# Allegro board HY_CEPRI_TEST_V10_220517.brd
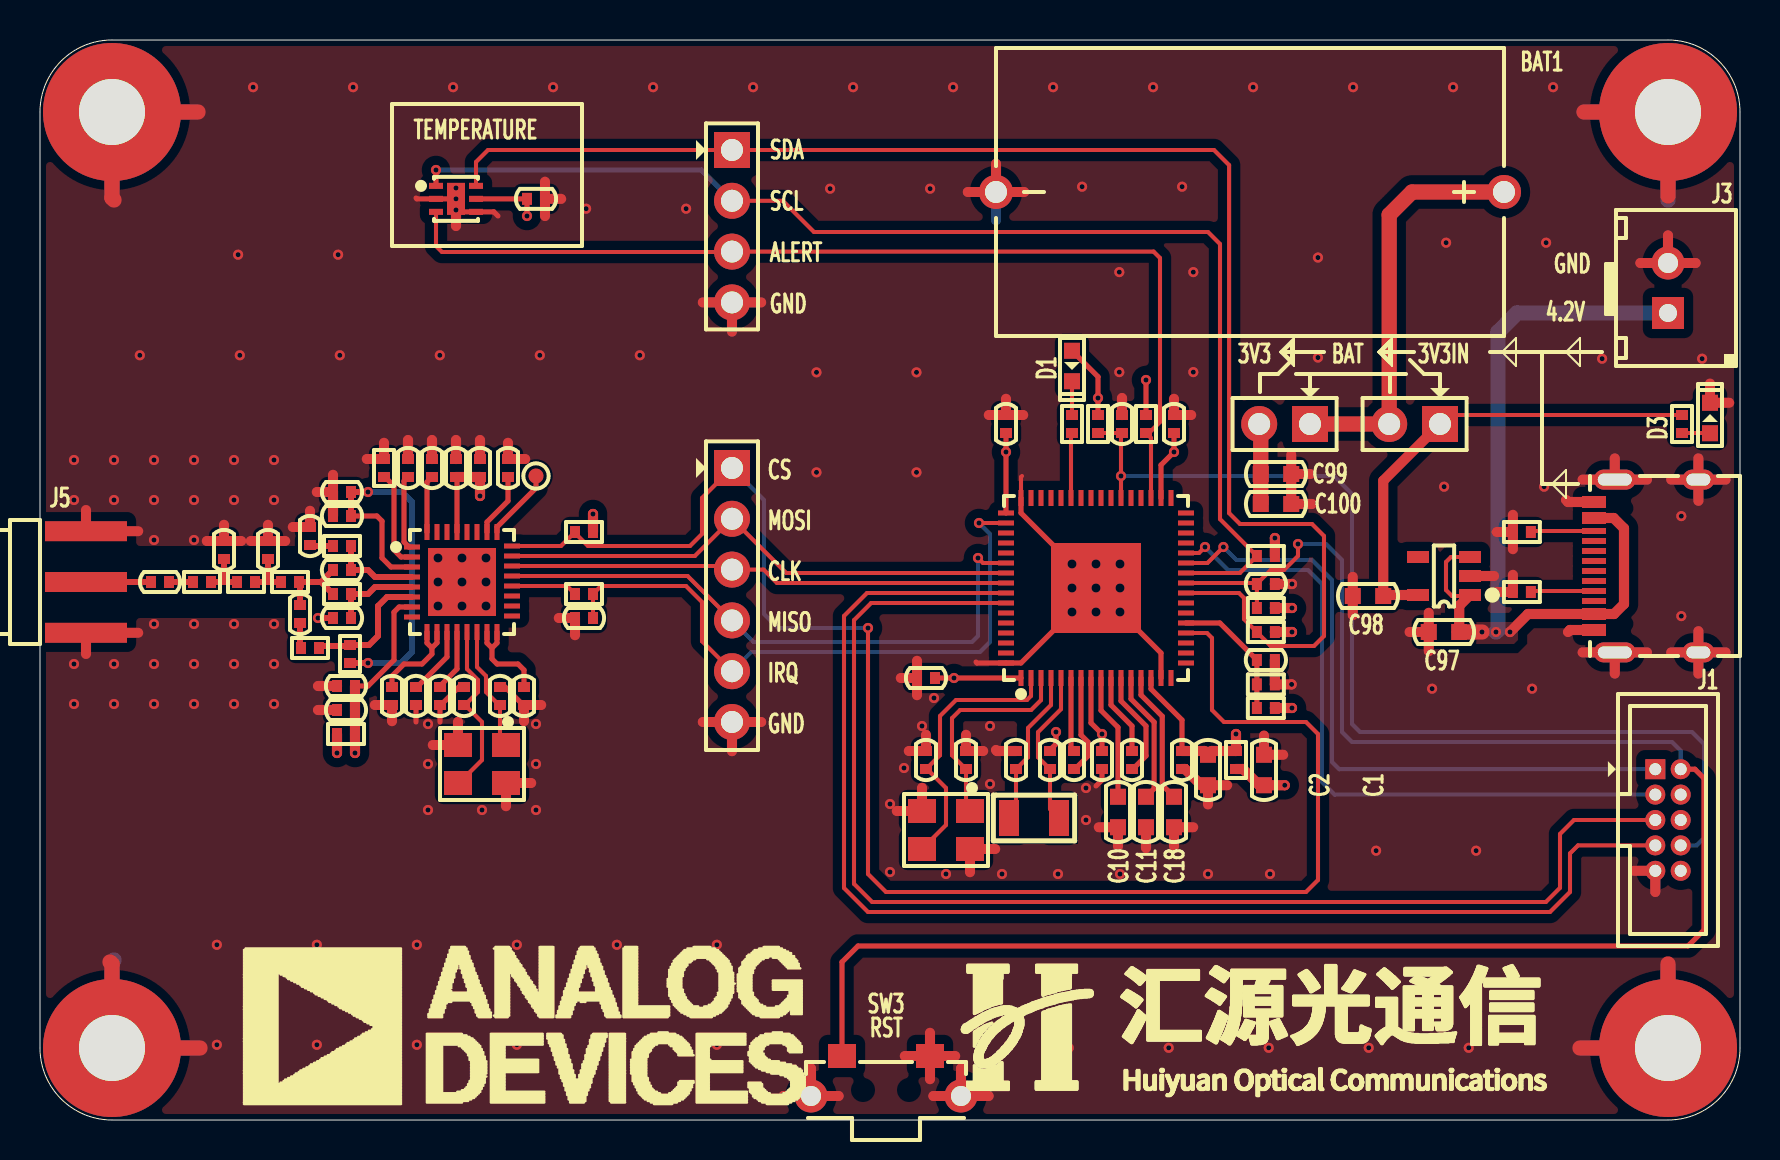
[diagram p0: board, top side]
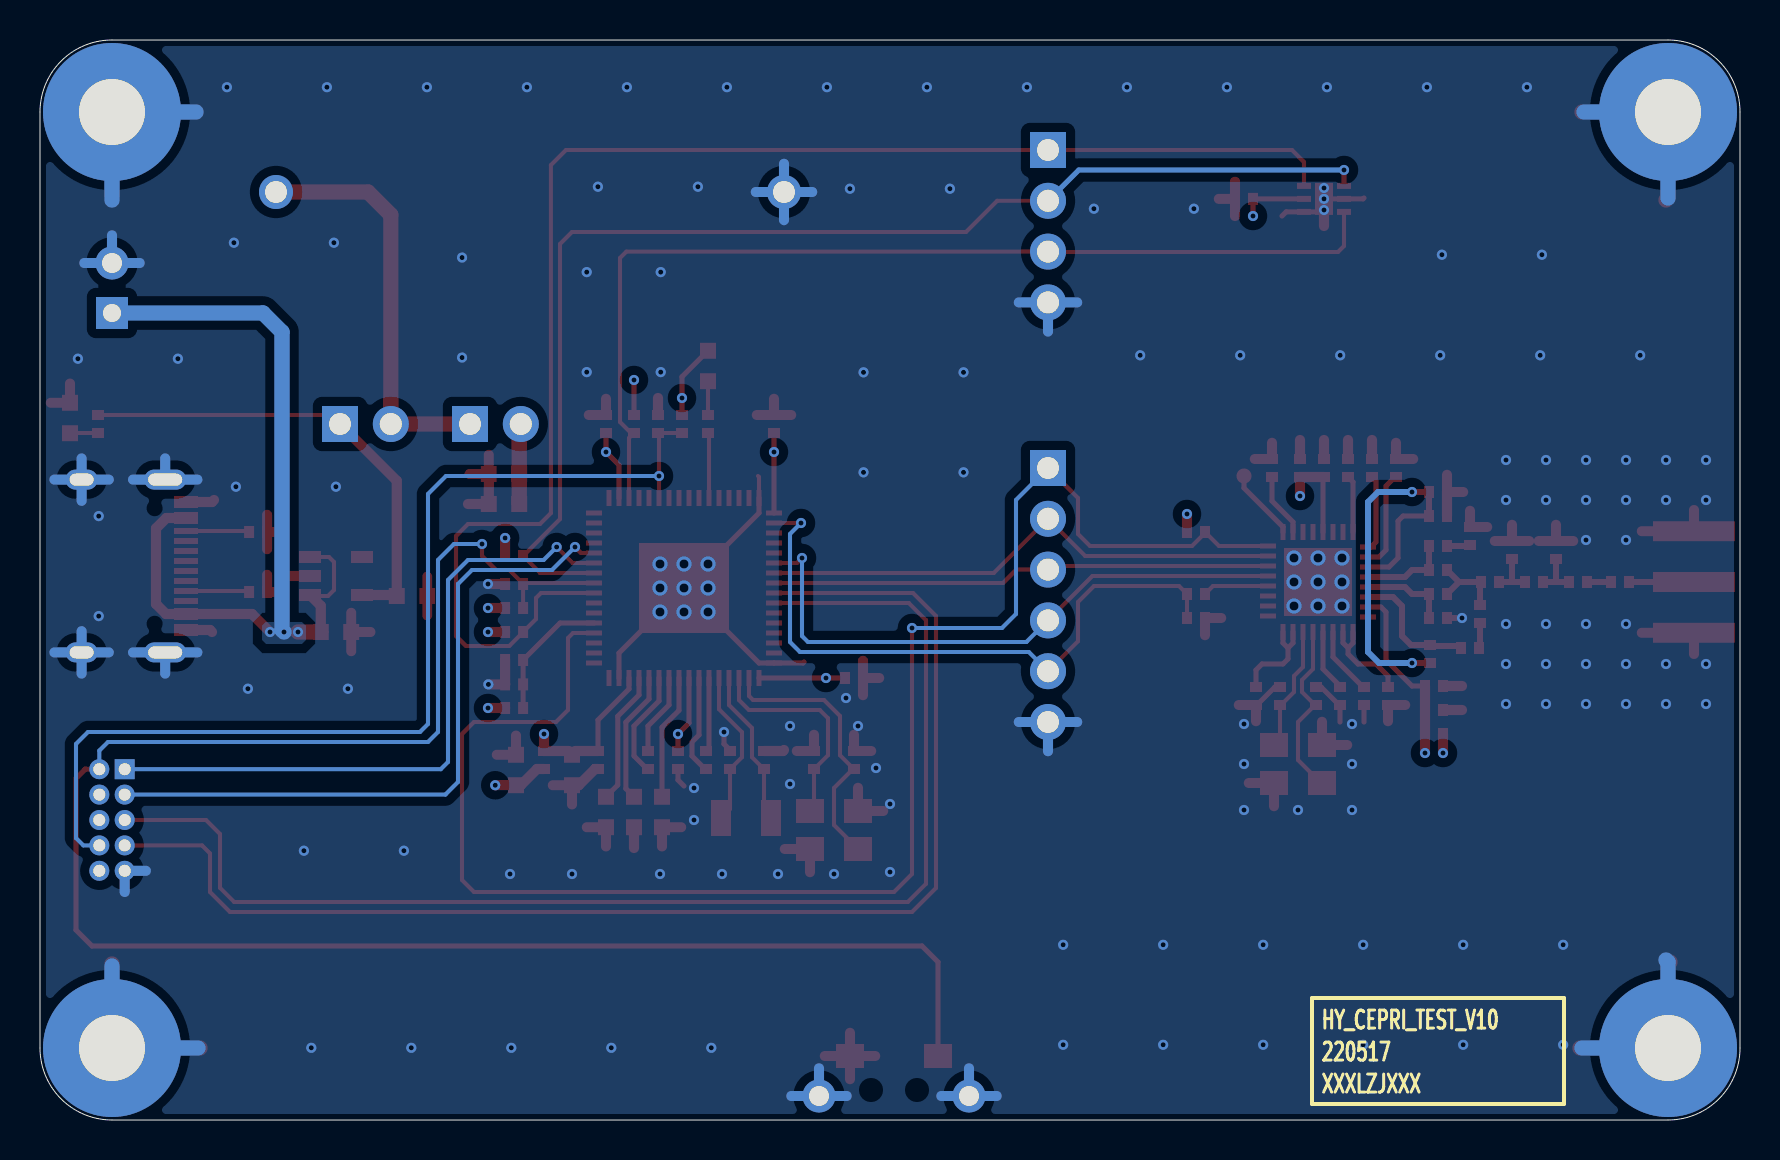
[diagram p1: board, bottom side, seen from below]

Outline 85 x 54 mm; copper layers: TOP, L02_GND, L03_VCC, BOTTOM. Coordinates in mm from the lower left corner of the outline.
Outline path: 0,50.4 arc(1.05,52.95) 3.6,54 81.4,54 arc(83.95,52.95) 85,50.4 85,3.6 arc(83.95,1.05) 81.4,0 3.6,0 arc(1.05,1.05) 0,3.6 0,50.4

## Design rules (mm)
constraint set DEFAULT: min track width 0.203, pair gap 0.203

## Placement (name value [footprint] x y rotation side)
BAT1  -  [ER14250]  60.5 46.4 180 top
C1  10uF_10V  [C0603]  61.2 17.5 90 top
C2  10uF_10V  [C0603]  58.4 17.5 270 top
C3  100nF_50V  [C0402]  53.1 18 270 top
C4  100nF_50V  [C0402]  57.1 18 270 top
C5  100nF_50V  [C0402]  44.3 22.1 180 top
C6  100nF_50V  [C0402]  48.3 34.8 90 top
C7  100nF_50V  [C0402]  56.7 34.8 90 top
C8  12pF_50V  [C0402]  46.3 18 270 top
C9  12pF_50V  [C0402]  44.3 18 270 top
C10  10uF_10V  [C0603]  53.9 15.4 270 top
C11  10uF_10V  [C0603]  55.3 15.4 270 top
C12  12pF_50V  [C0402]  50.5 18 270 top
C13  12pF_50V  [C0402]  48.8 18 270 top
C14  100nF_50V  [C0402]  51.7 18 90 top
C15  100nF_50V  [C0402]  61.29 26.8 0 top
C16  100nF_50V  [C0402]  54.1 34.8 90 top
C17  100nF_50V  [C0402]  54.6 18 90 top
C18  10uF_10V  [C0603]  56.7 15.4 90 top
C19  100nF_50V  [C0402]  61.29 23 0 top
C20  220nF_10V  [C0402]  19.6 32.6 270 top
C21  220nF_10V  [C0402]  23.4 32.6 270 top
C22  220nF_10V  [C0402]  15.1 31.4 0 top
C23  12pF_50V  [C0402]  23 21.2 270 top
C24  12pF_50V  [C0402]  21.2 21.2 270 top
C25  12pF_50V  [C0402]  15.1 30.2 0 top
C26  220nF_10V  [C0402]  18.4 32.6 270 top
C27  GRM1555C1H101JA01  [C0402]  13.5 29.2 270 top
C28  GRM1555C1H4R7JA01  [C0402]  15.1 27.5 0 top
C29  GRM1555C1H221JA01  [C0402]  6 26.9 0 top
C30  12pF_50V  [C0402]  15.3 21.7 180 top
C31  GRM1555C1H3R9JA01  [C0402]  9.2 28.5 90 top
C32  100nF_50V  [C0402]  27.2 25.1 180 top
C33  100nF_50V  [C0402]  15.3 20.5 180 top
C34  100nF_50V  [C0402]  22 32.6 90 top
C35  12pF_50V  [C0402]  20.8 32.6 90 top
C36  GRM1555C1H3R9JA01  [C0402]  11.4 28.5 90 top
C37  GRM1555C1H2R7CA01  [C0402]  15.1 25.1 0 top
C38  GRM1555C1H271JA01  [C0402]  13 25.3 270 top
C39  220nF_10V  [C0402]  17.6 21.2 270 top
C40  220nF_10V  [C0402]  18.8 21.2 270 top
C41  150nF_50V  [C0402]  20 21.2 270 top
C42  220nF_10V  [C0402]  24.2 21.2 270 top
C44  100nF_50V  [C0402]  24.8 46.06 0 top
C97  10uF_10V  [C0603]  70.2 24.4 180 top
C98  10uF_10V  [C0603]  66.4 26.2 180 top
C99  10uF_10V  [C0603]  61.8 32.3 0 top
C100  10uF_10V  [C0603]  61.8 30.8 0 top
D1  GREEN-0603  [LED0603]  51.6 37.7 270 top
D3  GREEN-0603  [LED0603]  83.5 35.1 90 top
J1  -  [DC3-10P-Z]  81.4 15 90 top
J2  -  [CN1X2-2P54-Z]  63.5 34.8 180 top
J3  -  [HX25035-2A]  81.4 41.6 90 top
J4  -  [CN1X2-2P54-Z]  70 34.8 180 top
J5  -  [SMA-KHD]  2.3 26.9 0 top
J6  -  [CN1X6-2P54-Z]  34.6 32.6 270 top
J7  -  [CN1X4-2P54-Z]  34.6 48.5 270 top
L1  LQW15AN40NG00  [L0402]  15.1 28.7 0 top
L2  BLM15AX102SN1  [L0402]  15.3 19.3 0 top
L3  LQW15AN33NG00  [L0402]  8.1 26.9 0 top
L4  LQW15AN82NG00  [L0402]  10.3 26.9 0 top
L5  LQW15AN33NG00  [L0402]  12.5 26.9 0 top
L6  LQW15AN30NG00  [L0402]  15.1 26.3 0 top
L7  LQW15ANR10J00  [L0402]  15.5 23.3 270 top
L8  LQW15AN13NG00  [L0402]  13.5 23.6 0 top
L9  BLM15AX102SN1  [L0402]  59.8 18 90 top
MH1  HOLE-M3/NI  [HOLE6R90X3R40]  81.4 3.6 0 top
MH2  HOLE-M3/NI  [HOLE6R90X3R40]  81.4 50.4 0 top
MH3  HOLE-M3/NI  [HOLE6R90X3R40]  3.6 3.6 0 top
MH4  HOLE-M3/NI  [HOLE6R90X3R40]  3.6 50.4 0 top
NOREF  -  []  0 0 0 top
NOREF#2  -  []  0 0 90 top
R2  100K  [R0402]  61.29 25.6 0 top
R3  100K  [R0402]  52.9 34.8 90 top
R4  4.7K  [R0402]  51.6 34.8 270 top
R5  200K  [R0402]  61.29 21.78 0 top
R6  453K  [R0402]  61.29 20.6 180 top
R8  36K  [R0402]  17.2 32.6 90 top
R9  100K  [R0402]  27.2 29.4 0 top
R11  4.7K  [R0402]  27.2 26.3 180 top
R13  4.7K  [R0402]  61.29 24.4 0 top
R14  4.7K  [R0402]  61.29 28.2 0 top
R15  100K  [R0402]  55.3 34.8 90 top
R23  4.7K/NI  [R0402]  74.09 26.4 0 top
R26  4.7K  [R0402]  74.09 29.4 180 top
R27  4.7K  [R0402]  82.1 34.8 270 top
SW3  -  [K2-1112SW-A4SW-04]  42.3 1.5 180 top
TP1  TP/NI  [TP-0R75]  24.8 32.2 0 top
U1  ADUCM4050BCPZ  [LFCSP64-9X9X0R5-4R5X4R5]  52.8 26.6 0 top
U4  ADF7023BCPZ  [LFCSP32-5X5X0R5-3R3X3R3]  21.1 26.9 270 top
U5  TMP117AIDRVR  [WSON6-2R0X2R0X0R65-1R6X1R0]  20.8 46.06 0 top
U29  SPX3819M5-L-3-3/TR  [SOT23-5]  70.2 27.2 90 top
USB1  -  [TYPE-C-31-M-12]  77.7 27.7 90 top
X1  NX3225SA-26.000000MHZ-G4  [X-4P-3R2X2R5-SMD]  45.3 14.5 180 top
X2  ABS07-32.768KHZ-6-T  [X-2P-3R2X1R5-SMD]  49.7 15.1 0 top
X3  NX3225SA-26.000000MHZ-G4  [X-4P-3R2X2R5-SMD]  22.1 17.8 180 top

## Library data of the parts
BAT1 = JMP-2_0
C1-C11 C14-C42 C44 = CAP NP_2
C12 C13 = CAP NP
C97-C100 = CAP NP_3
D1 D3 = LED_4
J1 = DC3-10P-Z-L
J2-J4 = CONN RCPT 2
J5 = SMA-KHD
J6 = CONN RCPT 6
J7 = CONN RCPT 4
L1-L9 = IND_BEAD_0805_600OHM_1
MH1-MH4 = Hold_1
R2-R6 R8 R9 R11 R13-R15 R23 R26 R27 = R_Generic
SW3 = SWITCH-SPST-4P
TP1 = TestPoint
U1 = ADUCM3029BCPZ
U4 = ADF7023BCPZ_0
U5 = TMP117AIDRVR
U29 = SPX3819M5-L-1-2
USB1 = TYPE-C_0
X1 X3 = TSX-3225
X2 = XTAL_5032_0

## Footprints (pads in the part's own frame, mm; a bottom-side part is the same pattern mirrored in y, then rotated)
C0402
  rect 0.5x0.6 smd: 1(-0.45,0) 2(0.45,0)
C0603
  rect 0.8x0.8 smd: 1(-0.762,0) 2(0.762,0)
CN1X2-2P54-Z
  rect 1.8x1.8 hole 1.1: 1(0,0)
  round 1.8 hole 1.1: 2(2.54,0)
CN1X4-2P54-Z
  rect 1.8x1.8 hole 1.1: 1(0,0)
  round 1.8 hole 1.1: 2(2.54,0) 3(5.08,0) 4(7.62,0)
CN1X6-2P54-Z
  rect 1.8x1.8 hole 1.1: 1(0,0)
  round 1.8 hole 1.1: 2(2.54,0) 3(5.08,0) 4(7.62,0) 5(10.16,0) 6(12.7,0)
DC3-10P-Z
  rect 1x1 hole 0.6: 1(2.54,0.635)
  round 1 hole 0.6: 2(2.54,-0.635) 3(1.27,0.635) 4(1.27,-0.635) 5(0,0.635) 6(0,-0.635) 7(-1.27,0.635) 8(-1.27,-0.635) 9(-2.54,0.635) 10(-2.54,-0.635)
ER14250
  round 1.7 hole 1.1: 1(-12.7,0) 2(12.7,0)
HOLE6R90X3R40
  round 6.9 hole 3.3: 1(0,0)
HX25035-2A
  rect 1.6x1.6 hole 0.9: 1(-1.25,0)
  round 1.65 hole 1: 2(1.25,0)
K2-1112SW-A4SW-04
  round 1.65 hole 1: 1(-3.75,0.3) 4(3.75,0.3)
  rect 1.4x1.2 smd: 2(-2.2,-1.7) 3(2.2,-1.7)
L0402
  rect 0.5x0.6 smd: 1(-0.45,0) 2(0.45,0)
LED0603
  rect 0.8x0.8 smd: 1(-0.762,0) 2(0.762,0)
LFCSP32-5X5X0R5-3R3X3R3
  rect 0.25x0.8 smd: 1(-1.75,-2.5) 2(-1.25,-2.5) 3(-0.75,-2.5) 4(-0.25,-2.5) 5(0.25,-2.5) 6(0.75,-2.5) 7(1.25,-2.5) 8(1.75,-2.5) 17(1.7,2.5) 18(1.2,2.5) 19(0.7,2.5) 20(0.2,2.5) 21(-0.3,2.5) 22(-0.8,2.5) 23(-1.3,2.5) 24(-1.8,2.5)
  rect 0.8x0.25 smd: 9(2.5,-1.75) 10(2.5,-1.25) 11(2.5,-0.75) 12(2.5,-0.25) 13(2.5,0.25) 14(2.5,0.75) 15(2.5,1.25) 16(2.5,1.75) 25(-2.5,1.75) 26(-2.5,1.25) 27(-2.5,0.75) 28(-2.5,0.25) 29(-2.5,-0.25) 30(-2.5,-0.75) 31(-2.5,-1.25) 32(-2.5,-1.75)
  rect 3.4x3.4 smd: 33(0,0)
LFCSP64-9X9X0R5-4R5X4R5
  rect 0.25x0.8 smd: 1(-3.75,-4.5) 2(-3.25,-4.5) 3(-2.75,-4.5) 4(-2.25,-4.5) 5(-1.75,-4.5) 6(-1.25,-4.5) 7(-0.75,-4.5) 8(-0.25,-4.5) 9(0.25,-4.5) 10(0.75,-4.5) 11(1.25,-4.5) 12(1.75,-4.5) 13(2.25,-4.5) 14(2.75,-4.5) 15(3.25,-4.5) 16(3.75,-4.5) 33(3.75,4.5) 34(3.25,4.5) 35(2.75,4.5) 36(2.25,4.5) 37(1.75,4.5) 38(1.25,4.5) 39(0.75,4.5) 40(0.25,4.5) 41(-0.25,4.5) 42(-0.75,4.5) 43(-1.25,4.5) 44(-1.75,4.5) 45(-2.25,4.5) 46(-2.75,4.5) 47(-3.25,4.5) 48(-3.75,4.5)
  rect 0.8x0.25 smd: 17(4.5,-3.75) 18(4.5,-3.25) 19(4.5,-2.75) 20(4.5,-2.25) 21(4.5,-1.75) 22(4.5,-1.25) 23(4.5,-0.75) 24(4.5,-0.25) 25(4.5,0.25) 26(4.5,0.75) 27(4.5,1.25) 28(4.5,1.75) 29(4.5,2.25) 30(4.5,2.75) 31(4.5,3.25) 32(4.5,3.75) 49(-4.5,3.75) 50(-4.5,3.25) 51(-4.5,2.75) 52(-4.5,2.25) 53(-4.5,1.75) 54(-4.5,1.25) 55(-4.5,0.75) 56(-4.5,0.25) 57(-4.5,-0.25) 58(-4.5,-0.75) 59(-4.5,-1.25) 60(-4.5,-1.75) 61(-4.5,-2.25) 62(-4.5,-2.75) 63(-4.5,-3.25) 64(-4.5,-3.75)
  rect 4.5x4.5 smd: 65(0,0)
R0402
  rect 0.5x0.6 smd: 1(-0.45,0) 2(0.45,0)
SMA-KHD
  rect 4.1x1 smd: 1(0,2.54) 2(0,0) 3(0,-2.54)
SOT23-5
  rect 0.6x1.1 smd: 1(-0.95,-1.3) 2(0,-1.3) 3(0.95,-1.3) 4(0.95,1.3) 5(-0.95,1.3)
TP-0R75
  round 0.75 smd: 1(0,0)
TYPE-C-31-M-12
  rect 0.6x1.2 smd: 1(-3.2,0) 2(-2.4,0) 11(2.4,0) 12(3.2,0)
  rect 0.3x1.2 smd: 3(-1.75,0) 4(-1.25,0) 5(-0.75,0) 6(-0.25,0) 7(0.25,0) 8(0.75,0) 9(1.25,0) 10(1.75,0)
  oval 1x2.1 hole 0.6x1.7: 13(-4.32,-1.04) 14(4.32,-1.04)
  oval 1x1.6 hole 0.6x1.2: 15(-4.32,-5.22) 16(4.32,-5.22)
WSON6-2R0X2R0X0R65-1R6X1R0
  rect 0.7x0.3 smd: 1(-1,0.65) 2(-1,0) 3(-1,-0.65) 4(1,-0.65) 5(1,0) 6(1,0.65)
  rect 0.9x1.6 smd: 7(0,0)
X-2P-3R2X1R5-SMD
  rect 1x1.8 smd: 1(-1.25,0) 2(1.25,0)
X-4P-3R2X2R5-SMD
  rect 1.4x1.2 smd: 1(-1.2,-0.95) 2(1.2,-0.95) 3(1.2,0.95) 4(-1.2,0.95)

## Nets
GND: BAT1.2 C1.2 C2.2 C3.2 C4.2 C5.2 C6.2 C7.2 C8.1 C9.1 C10.2 C11.2 C12.1 C13.1 C15.2 C16.2 C18.1 C19.2 C20.1 C21.1 C22.1 C23.1 C24.1 C25.1 C26.1 C27.1 C30.2 C31.2 C32.2 C33.2 C34.2 C35.2 C36.2 C37.1 C39.2 C40.2 C41.2 C42.2 C44.2 C97.2 C98.2 C99.2 C100.2 D3.2(CATHODE) J1.9 J3.2 J5.1 J5.3 J6.6 J7.4 MH1.1 MH2.1 MH3.1 MH4.1 R5.2 R8.2 R23.1 R26.2 SW3.1 SW3.2 SW3.4 U1.15 U1.48 U1.64 U1.65 U4.33 U5.2 U5.4 U5.7 U29.2 USB1.1 USB1.12 USB1.13 USB1.14 USB1.15 USB1.16 X1.2 X1.4 X3.2 X3.4
VCC_3.3V: C1.1 C44.1 C99.1 C100.1 J2.2 L2.1 L9.1 R6.1 R13.2 R14.2 R15.2 U5.5(V+)
VCC_3.3V_RF: C30.1 C33.1 C34.1 C35.1 L2.2(B) R9.2 U4.7 U4.29
VCC_3.6V_BAT: BAT1.1 J2.1 J4.2
VCC_IN: C97.1 J3.1 U29.1 U29.3 USB1.2 USB1.11(VBUS2)
VDD: C2.1 C3.1 C4.1 C5.1 C6.1 C7.1 D1.1 J1.10 L9.2(B) R2.2 R3.2 U1.1 U1.8 U1.14 U1.34 U1.49
P0_04/I2C0_SCL: J7.2 R14.1 U1.26 U5.1
P0_05/I2C0_SDA: J7.1 R13.1 U1.24 U5.6
P0_12/TMP117_ALERT: J7.3 R15.1 U1.35 U5.3
P0_15/IRQ_GP3: C32.1 J6.5 R11.1 U1.50
P1_02/SPI2_CLK: J6.3 U1.56 U4.22
P1_03/SPI2_MOSI: J6.2 U1.55 U4.23
P1_04/SPI2_MISO: J6.4 U1.54 U4.21
P1_13/LED: R4.2 U1.43
P2_07/SPI2_CS: J6.1 R9.1 U1.20 U4.24
P2_08/BAT_VOLT: C19.1 R5.1 R6.2 U1.21
SWD0_CLK: J1.3 U1.28
SWD0_DATA: J1.1 U1.27
SYS_BMODE0: C16.1 J1.8 R3.1 U1.38
SYS_HFXTAL_IN: C9.2 U1.2 X1.3(OUT2)
SYS_HFXTAL_OUT: C8.2 U1.3 X1.1
SYS_HWRST_N: C15.1 J1.2 R2.1 SW3.3 U1.25
SYS_LFXTAL_IN: C13.2 U1.4 X2.1
SYS_LFXTAL_OUT: C12.2 U1.5 X2.2
UART0_RX_N: J1.7 U1.57
UART0_TX_N: J1.5 U1.58
VDCDC_OUT: C10.1 U1.9
VLDO_OUT: C11.1 U1.12
VREF_ADC: C18.2 U1.13(VREF_ADC)
XOSC26N: C23.2 U4.14 X3.1
XOSC26P: C24.2 U4.13 X3.3(OUT2)
N17241913: C14.1 U1.7
N17241915: C14.2 U1.6
N17241937: C17.1 U1.11
N17241939: C17.2 U1.10
N17265796: C20.2 U4.32
N17265798: C21.2 U4.26
N17265928: C22.2 C25.2 L7.2(B) U4.3
N17265932: R8.1 U4.2
N17265934: C26.2 U4.1
N17266000: C37.2 L6.2(B) U4.5
N17266002: R11.2 U4.20
N17266029: L7.1 L8.2(B) U4.6
N17266045: C28.1 C38.1 L5.2(B) L6.1
N17266116: C38.2 L8.1
N17266122: C39.1 U4.9 U4.10
N17266126: C40.1 U4.11
N17266128: C41.1 U4.12
N17266134: C42.1 U4.15 U4.16
N17268626: C36.1 L4.2(B) L5.1
N17268629: C31.1 L3.2(B) L4.1
N17268632: C29.2 L3.1
N17268655: C29.1 J5.2
N17271468: TP1.1 U4.25
N17304590: C98.1 J4.1 R27.1 U29.5(VOUT)
N17305946: R23.2 USB1.4
N17305967: R26.1 USB1.10
N17313671: C28.2 L1.2(B) U4.4
N172659141: C27.2 L1.1
N172702350: D1.2(CATHODE) R4.1
N173111481: D3.1 R27.2

Pads without a net: J1 4 6; U1 16 17 18 19 22 23 29 30 31 32 33 36 37 39 40 41 42 44 45 46 47 51 52 53 59 60 61 62 63; U4 8 17 18 19 27 28 30 31; U29 4; USB1 3 5 6 7 8 9

## Via types
v1: diameter 0.508, hole 0.254, TOP to BOTTOM, 156 vias
v2: diameter 0.762, hole 0.457, TOP to BOTTOM, 18 vias

## Routing (per net, layer and track width the routed paths; a pad name or vN(x,y) marks a point on that pad's centre or on a via; arc(x,y) is an arc through that point)
GND: length 365.6
  TOP w0.203: 49.1,32.2 49.05,32.15 U1.48
  TOP w0.254: v2(51.6,25.4) 49.05,22.85 U1.64 46.85,22.85 46.8,22.9 ; 52.8,16.7 53.1,17 C3.2 ; C23.1 23.25,21.65 24.15,20.75 C42.2 ; 20,19.9 C41.2 20.05,20.75 20.95,21.65 C24.1 ; 22.9,45.2 22.69,45.41 U5.4 21.05,45.41 20.96,45.5 v1(20.8,45.5) ; C12.1 50.5,18.5 50.8,18.8 v1(50.8,19.4) ; U1.48 49.05,30.35 v2(51.6,27.8) v2(52.8,26.6) v2(54,25.4) 56.05,23.35 U1.15 ; C40.2 18.8,19.9 ; v1(20.8,46.06) U5.2 18.84,46.06 18.8,46.1
  TOP w0.3: C37.1 v1(13.9,25.1)
  TOP w0.503: 82.92,30.96 USB1.16 ; USB1.16 82.92,33.08 ; USB1.16 81.56,32.02 ; USB1.16 84.28,32.02 ; C44.2 25.25,46.92 ; C44.2 26.06,46.06 ; C44.2 25.25,45.2 ; 43.85,21.24 C5.2 ; C5.2 43.04,22.1 ; C5.2 43.85,22.96 ; C6.2 49.16,35.25 ; C6.2 48.3,36.06 ; C6.2 47.44,35.25 ; 61.2,19.22 C1.2 62.16,18.26 ; R26.2 73.64,30.26 ; R26.2 72.84,29.4 ; R26.2 73.64,28.54 ; 69.44,23.44 C97.2 ; C97.2 68.48,24.4 ; C97.2 69.44,25.36 ; 78.74,22.32 USB1.13 ; USB1.13 80.35,23.38 ; USB1.13 77.13,23.38 ; SW3.1 46.05,2.58 ; SW3.1 47.43,1.2 ; SW3.1 44.67,1.2 ; J3.2 82.78,42.85 ; J3.2 80.02,42.85 ; J3.2 81.4,44.23 ; 82.92,22.32 USB1.15 ; USB1.15 82.92,24.44 ; USB1.15 81.56,23.38 ; USB1.15 84.28,23.38 ; BAT1.2 49.21,46.4 ; BAT1.2 46.39,46.4 ; BAT1.2 47.8,47.81 ; 24.26,33.05 C21.1 23.4,33.86 ; SW3.2 45.76,3.2 ; SW3.2 44.5,2.04 ; SW3.2 43.24,3.2 ; SW3.2 44.5,4.36 ; 4.91,29.44 J5.1 2.3,30.5 ; 16.34,33.05 R8.2 17.2,33.86 ; 83.5,36.82 D3.2 84.46,35.86 ; 24.56,16.85 X3.4 23.3,15.69 ; 25.06,20.75 C42.2 24.2,19.94 ; 2.3,23.3 J5.3 4.91,24.36 ; 80.77,11.4 J1.9 79.71,12.46 ; 46.5,12.39 X1.4 47.76,13.55 ; 25.94,25.1 C32.2 26.75,24.24 ; 65.64,25.24 C98.2 65.64,27.16 ; SW3.4 39.93,1.2 ; SW3.4 37.17,1.2 ; SW3.4 38.55,2.58 ; 44.3,19.26 C9.1 43.44,18.45 ; 14.65,32.26 C22.1 13.84,31.4 ; 44.1,16.61 X1.2 42.84,15.45 ; C36.2 12.26,28.95 ; C36.2 11.4,29.76 ; C36.2 10.54,28.95 ; 77.13,32.02 USB1.14 ; USB1.14 78.74,33.08 ; USB1.14 80.35,32.02 ; 62.56,33.26 C99.2 63.52,32.3 ; 73.64,27.26 R23.1 72.84,26.4 ; 58.4,15.78 C2.2 59.36,16.74 ; 17.6,19.94 C39.2 16.74,20.75 ; 52.94,14.64 C10.2 53.9,13.68 ; 12.64,29.65 C27.1 13.5,30.46 ; 57.56,35.25 C7.2 56.7,36.06 ; 33.14,19.9 J6.6 ; J6.6 34.6,18.44 ; J6.6 36.06,19.9 ; 20.9,19.91 X3.2 19.64,18.75 ; 56.7,13.68 C18.1 57.66,14.64 ; v1(20.8,46.06) v1(20.8,45.5) ; 8.34,28.95 C31.2 ; C31.2 10.06,28.95 ; C31.2 9.2,29.76 ; 33.14,40.88 J7.4 ; J7.4 36.06,40.88 ; J7.4 34.6,39.42 ; 46.3,19.26 C8.1 47.16,18.45
  TOP w0.508: C33.2 13.9,20.5 ; C35.2 20.8,34 ; 76.4,24.4 76.5,24.5 USB1.1 ; C2.2 58.06,16.74 57.25,17.55 C4.2 ; C25.1 C22.1 ; C20.1 19.6,34 ; C16.2 54.1,36.1 ; C30.2 13.9,21.7 ; U29.2 72.7,27.2 ; C26.1 18.4,34 ; USB1.12 76.4,30.9 76.3,31 ; v1(20.8,45.5) 20.8,44.7 ; C34.2 22,34 ; C19.2 R5.2 v1(62.58,21.78) ; 63.6,30.8 C100.2 C99.2 ; C13.1 47.85,18.45 47.8,18.5 ; C15.2 v1(62.6,26.8) ; C11.2 55.3,13.6
  TOP w0.762: 8,3.6 MH3.1 3.6,7.8 3.5,7.9 ; 77,3.6 MH1.1 81.4,7.8 ; 77.2,50.4 MH2.1 81.4,46.2 ; 3.7,46 3.6,46.1 MH4.1 7.9,50.4
  L02_GND w0.503: J3.2 82.78,42.85 ; J3.2 80.02,42.85 ; J3.2 81.4,44.23 ; 81.56,23.38 USB1.15 ; USB1.15 82.92,22.32 ; USB1.15 84.28,23.38 ; USB1.15 82.92,24.44 ; 77.39,3.6 MH1.1 81.4,7.61 ; USB1.16 82.92,33.08 ; USB1.16 82.92,30.96 ; USB1.16 84.28,32.02 ; USB1.16 81.56,32.02 ; 46.39,46.4 BAT1.2 ; BAT1.2 47.8,44.99 ; BAT1.2 49.21,46.4 ; BAT1.2 47.8,47.81 ; 7.61,3.6 MH3.1 3.6,7.61 ; 33.14,40.88 J7.4 ; J7.4 36.06,40.88 ; J7.4 34.6,39.42 ; SW3.1 47.43,1.2 ; SW3.1 44.67,1.2 ; SW3.1 46.05,2.58 ; 3.6,46.39 MH4.1 7.61,50.4 ; 34.6,18.44 J6.6 ; J6.6 33.14,19.9 ; J6.6 36.06,19.9 ; SW3.4 38.55,2.58 ; SW3.4 39.93,1.2 ; SW3.4 37.17,1.2 ; 81.4,46.39 MH2.1 77.39,50.4 ; USB1.14 80.35,32.02 ; USB1.14 77.13,32.02 ; USB1.14 78.74,33.08 ; 80.77,11.4 J1.9 79.71,12.46 ; USB1.13 80.35,23.38 ; USB1.13 78.74,22.32 ; USB1.13 77.13,23.38
  BOTTOM w0.503: USB1.16 84.28,32.02 ; USB1.16 82.92,30.96 ; USB1.16 81.56,32.02 ; USB1.16 82.92,33.08 ; J3.2 81.4,44.23 ; J3.2 80.02,42.85 ; J3.2 82.78,42.85 ; SW3.1 47.43,1.2 ; SW3.1 44.67,1.2 ; SW3.1 46.05,2.58 ; 80.77,11.4 J1.9 79.71,12.46 ; 77.13,23.38 USB1.13 ; USB1.13 78.74,22.32 ; USB1.13 80.35,23.38 ; 77.13,32.02 USB1.14 ; USB1.14 78.74,33.08 ; USB1.14 80.35,32.02 ; 33.14,40.88 J7.4 ; J7.4 34.6,39.42 ; J7.4 36.06,40.88 ; SW3.4 38.55,2.58 ; SW3.4 37.17,1.2 ; SW3.4 39.93,1.2 ; USB1.15 84.28,23.38 ; USB1.15 81.56,23.38 ; USB1.15 82.92,24.44 ; USB1.15 82.92,22.32 ; J6.6 36.06,19.9 ; J6.6 33.14,19.9 ; J6.6 34.6,18.44 ; BAT1.2 49.21,46.4 ; BAT1.2 47.8,44.99 ; BAT1.2 47.8,47.81 ; BAT1.2 46.39,46.4
  BOTTOM w0.762: 77.2,50.4 MH2.1 81.4,46 ; 7.8,50.4 MH4.1 3.6,46.1 ; 7.9,3.6 MH3.1 3.6,7.9 3.7,8 ; 77.1,3.6 MH1.1 81.4,7.7
  vias: v1(1.7,33) v1(1.7,31) v1(1.7,22.8) v1(1.7,20.8) v1(3.7,33) v1(3.7,31) v1(3.7,22.8) v1(3.7,20.8) v1(4.99,38.24) v1(5.7,33) v1(5.7,31) v1(5.7,29) v1(5.7,24.8) v1(5.7,22.8) v1(5.7,20.8) v1(7.7,33) v1(7.7,31) v1(7.7,29) v1(7.7,24.8) v1(7.7,22.8) v1(7.7,20.8) v1(8.84,8.76) v1(8.84,3.76) v1(9.7,33) v1(9.7,31) v1(9.7,24.8) v1(9.7,22.8) v1(9.7,20.8) v1(9.9,43.27) v1(9.99,38.24) v1(10.65,51.64) v1(11.7,33) v1(11.7,31) v1(11.7,24.8) v1(11.7,22.8) v1(11.7,20.8) v1(13.84,8.76) v1(13.84,3.76) v1(14.9,43.27) v1(14.99,38.24) v1(15.65,51.64) v1(18.84,8.76) v1(18.84,3.76) v1(19.4,19.8) v1(19.4,17.8) v1(19.4,15.5) v1(19.99,38.24) v1(20.66,51.64) v1(20.8,46.6) v1(22.1,15.5) v1(23.84,8.76) v1(23.84,3.76) v1(24.8,19.8) v1(24.8,17.8) v1(24.8,15.5) v1(24.99,38.24) v1(25.66,51.64) v1(27.3,45.56) v1(28.84,8.76) v1(28.84,3.76) v1(29.99,38.24) v1(30.66,51.64) v1(32.3,45.56) v1(33.84,8.76) v1(33.84,3.76) v1(35.66,51.64) v1(38.82,37.38) v1(38.82,32.38) v1(39.5,46.56) v1(40.66,51.64) v1(42.5,15.8) v1(42.5,12.4) v1(43.2,17.6) v1(43.82,37.38) v1(43.82,32.38) v1(44.1,19.7) v1(44.5,46.56) v1(44.7,21.1) v1(45.3,12.3) v1(45.66,51.64) v1(47.5,19.7) v1(47.5,16.8) v1(48.1,12.3) v1(50.66,51.64) v1(50.9,12.3) v1(51.44,3.61) v1(52.1,46.66) v1(52.3,16.6) v1(52.3,15) v1(53.97,42.4) v1(53.97,37.4) v1(54,12.3) v1(55.66,51.64) v1(56.44,3.61) v1(57.1,46.66) v1(57.66,42.4) v1(57.66,37.4) v1(58.4,12.3) v1(60.66,51.64) v1(61.44,3.61) v1(61.5,12.3) v1(63.9,43.12) v1(63.9,38.12) v1(65.66,51.64) v1(66.44,3.61) v1(66.8,13.46) v1(69.6,21.57) v1(70.2,31.66) v1(70.3,43.87) v1(70.66,51.64) v1(71.44,3.61) v1(71.8,13.46) v1(74.6,21.57) v1(75.2,31.66) v1(75.3,43.87) v1(75.66,51.64) v1(78.1,38.06) v1(82.06,30.2) v1(82.06,25.2) v1(83.1,38.06) v2(19.9,28.1) v2(19.9,26.9) v2(19.9,25.7) v2(21.1,28.1) v2(21.1,26.9) v2(21.1,25.7) v2(22.3,28.1) v2(22.3,26.9) v2(22.3,25.7) v2(51.6,26.6) v2(52.8,27.8) v2(52.8,25.4) v2(54,27.8) v2(54,26.6)
VCC_3.3V: length 19.9
  TOP w0.254: U5.5 C44.1 v1(24.35,45.2) ; R15.2 v1(55.3,37)
  TOP w0.508: L2.1 v1(14.85,18.35) ; R13.2 v1(62.6,24.4) ; R6.1 v1(62.6,20.6) ; v1(61.74,29.1) R14.2 ; v1(62.24,16.74) C1.1 60.96,16.74 60.15,17.55 L9.1
  TOP w0.762: J2.2 61.04,34.72 C99.1 C100.1
  L03_VCC w0.503: 59.5,34.8 J2.2 ; J2.2 60.96,33.34 ; J2.2 60.96,36.26
VCC_3.3V_RF: length 51.7
  TOP w0.254: U4.29 20.85,32.1 C35.1 ; C30.1 16.4,21.7 17.7,23 17.7,25.4 17.95,25.65 U4.7
  TOP w0.508: v1(15.75,18.35) L2.2 C33.1 C30.1 ; v1(27.65,30.3) R9.2 ; C35.1 C34.1 v1(22,31.2)
  L03_VCC w0.508: v1(15.75,18.35) 15.75,15.35 16.8,14.3 26.5,14.3 27.65,15.45 v1(27.65,30.3) 26.75,31.2 v1(22,31.2)
VCC_3.6V_BAT: length 20.6
  TOP w0.762: J2.1 J4.2 67.46,45.26 68.6,46.4 BAT1.1
VCC_IN: length 42.9
  TOP w0.203: 71.45,26.2 70.6,26.2 70.3,26.5 70.3,27.9 70.55,28.15 U29.3
  TOP w0.508: v1(73.5,24.4) 74.4,25.3 USB1.2 78.7,25.3 79.2,25.8 79.2,29.58 78.68,30.1 USB1.11 ; C97.1 70.96,25.71 U29.1
  TOP w0.762: C97.1 v1(72.1,24.4)
  BOTTOM w0.762: v1(72.8,24.4) 72.9,24.5 72.9,39.4 73.85,40.35 J3.1
VDD: length 108.5
  TOP w0.254: U1.8 52.55,19.85 v1(53.1,19.3) C3.1 ; U1.14 55.55,21.55 57.1,20 C4.1 ; U1.1 v1(45.7,22.1) C5.1 ; C6.1 v1(48.3,33.4) U1.49 ; R3.2 v1(52.9,36.1) 52.9,37.16 D1.1 ; C7.1 v1(56.7,33.4) 56.05,32.75 U1.34
  TOP w0.508: v1(59.8,19.3) L9.2 58.59,18.45 C2.1 58.21,18.45 C4.1 ; R2.2 v1(62.6,25.6)
  L03_VCC w0.508: v1(59.8,19.3) v1(53.1,19.3) 53.1,21.3 52.3,22.1 v1(45.7,22.1) ; v1(59.8,19.3) 60.9,19.3 61.6,20 61.6,24.6 v1(62.6,25.6) 60.8,27.4 60.8,31.5 58.9,33.4 v1(56.7,33.4) 56.7,35.4 56,36.1 v1(52.9,36.1) 49.1,36.1 48.3,35.3 v1(48.3,33.4) ; v1(59.8,19.3) 59.8,12.2 61.1,10.9 81.6,10.9 82.03,11.34 J1.10
P0_04/I2C0_SCL: length 61.8
  TOP w0.203: J7.2 37.14,45.96 38.7,44.4 58.4,44.4 59,43.8 59,30.04 R14.1 59.99,27.35 U1.26
  TOP w0.254: v1(19.8,47.5) U5.1
  BOTTOM w0.254: J7.2 33.06,47.5 v1(19.8,47.5)
P0_05/I2C0_SDA: length 75.9
  TOP w0.203: U1.24 59.95,26.35 60.2,26.1 60.2,25.04 R13.1 60.84,24.39 61.54,23.7 63.7,23.7 64.2,24.2 64.2,29.2 63.6,29.8 60,29.8 59.46,30.34 59.46,47.74 58.7,48.5 J7.1 22.4,48.5 21.8,47.9 U5.6
P0_12/TMP117_ALERT: length 50.7
  TOP w0.203: U1.35 55.55,34.1 R15.1 55.45,34.35 56,34.9 56,43.1 55.68,43.42 J7.3 34.58,43.4 20.1,43.4 19.8,43.7 U5.3
P0_15/IRQ_GP3: length 32.3
  TOP w0.203: U1.50 v1(46.95,29.85) ; J6.5 33.1,23.94 33.1,25.9 32.3,26.7 28.05,26.7 R11.1 C32.1
  BOTTOM w0.203: v1(46.95,29.85) 47.5,29.3 47.5,23.9 47,23.4 35.56,23.4 J6.5
P1_02/SPI2_CLK: length 25.1
  TOP w0.203: U1.56 36.85,26.85 36.18,27.52 J6.3 34.42,27.7 U4.22
P1_03/SPI2_MOSI: length 26.6
  TOP w0.203: U1.55 37.31,27.35 J6.2 32.74,28.2 U4.23
P1_04/SPI2_MISO: length 30.2
  TOP w0.203: v1(46.9,28.1) 47.15,27.85 U1.54 ; J6.4 32.38,27.2 U4.21
  BOTTOM w0.203: J6.4 35.68,23.9 46.6,23.9 46.9,24.2 v1(46.9,28.1)
P1_13/LED: length 3.3
  TOP w0.203: R4.2 51.55,34.3 U1.43
P2_07/SPI2_CS: length 81.3
  TOP w0.203: J6.1 33.1,31.1 33.1,29.3 32.5,28.7 27.4,28.7 26.75,29.35 R9.1 26.05,28.7 U4.24 ; U1.20 58.35,24.35 58.6,24.1 58.6,20.5 59.2,19.9 63.3,19.9 63.9,19.3 63.9,12 63.3,11.4 42.3,11.4 41.4,12.3 v1(41.4,24.6)
  BOTTOM w0.203: v1(41.4,24.6) 36.9,24.6 36.2,25.3 36.2,31 J6.1
P2_08/BAT_VOLT: length 6.7
  TOP w0.254: U1.21 58.99,24.85 C19.1 R5.1 R6.2
SWD0_CLK: length 34.5
  TOP w0.203: v1(58.25,28.65) 57.95,28.35 U1.28
  BOTTOM w0.203: J1.3 64.73,16.27 64.1,16.9 64.1,26.8 63.4,27.5 59.4,27.5 v1(58.25,28.65)
SWD0_DATA: length 33.7
  TOP w0.203: U1.27 58.37,27.85 v1(59.17,28.65)
  BOTTOM w0.203: v1(59.17,28.65) 59.82,28 63.6,28 64.6,27 64.6,17.9 64.96,17.54 J1.1
SYS_BMODE0: length 51.9
  TOP w0.203: R3.1 C16.1 54.05,34.3 v1(54.05,32.2) U1.38
  BOTTOM w0.203: J1.8 82.83,13.73 83.2,14.1 83.2,18.8 82.6,19.4 66,19.4 65.6,19.8 65.6,31.3 64.7,32.2 v1(54.05,32.2)
SYS_HFXTAL_IN: length 13.7
  TOP w0.203: X1.3 45.3,14.75 45.3,16.6 44.35,17.55 44.31,17.55 ; 44.31,17.55 45,18.24 45,20.2 45.8,21 49.35,21 49.55,21.2 U1.2 ; 44.31,17.55 C9.2
SYS_HFXTAL_OUT: length 10.9
  TOP w0.203: U1.3 50.05,21 49.55,20.5 46.01,20.5 45.6,20.09 45.6,18.24 46.29,17.55 C8.2 46.3,15.65 X1.1
SYS_HWRST_N: length 94.8
  TOP w0.203: C15.1 60.79,26.85 U1.25 ; C15.1 R2.1 ; C15.1 60.84,26.81 61.54,27.5 62.2,27.5 62.9,28.2 v1(62.9,28.8)
  TOP w0.254: J1.2 82.75,17.54 83.2,17.09 83.2,9.5 82.4,8.7 40.9,8.7 40.1,7.9 SW3.3
  BOTTOM w0.203: J1.2 82.03,18.46 81.6,18.9 65.6,18.9 65.1,19.4 65.1,28 64.3,28.8 v1(62.9,28.8)
SYS_LFXTAL_IN: length 7.9
  TOP w0.203: X2.1 48.8,15.45 C13.2 48.81,17.55 49.4,18.14 49.4,19.6 50.55,20.75 U1.4
SYS_LFXTAL_OUT: length 7.9
  TOP w0.203: X2.2 50.5,15.55 C12.2 50.49,17.55 49.9,18.14 49.9,19.39 51.05,20.54 U1.5
UART0_RX_N: length 65.7
  TOP w0.203: J1.7 76.9,13.73 76.5,13.33 76.5,11.4 75.5,10.4 41.4,10.4 40.2,11.6 40.2,25.2 41.35,26.35 U1.57
UART0_TX_N: length 64.9
  TOP w0.203: J1.5 76.7,15 76,14.3 76,11.61 75.29,10.9 41.61,10.9 40.7,11.81 40.7,24.99 41.56,25.85 U1.58
VDCDC_OUT: length 6.3
  TOP w0.254: U1.9 53.05,20.48 53.9,19.63 C10.1
VLDO_OUT: length 6.6
  TOP w0.254: U1.12 54.55,21.05 55.71,19.89 55.71,16.57 C11.1
VREF_ADC: length 6.6
  TOP w0.254: C18.2 56.11,16.75 56.11,20.19 55.05,21.25 U1.13
XOSC26N: length 6.3
  TOP w0.203: X3.1 23.2,18.75 23,18.95 C23.2 22.95,20.8 22.9,20.8 22.3,21.4 22.3,22.2 21.85,22.65 U4.14
XOSC26P: length 9
  TOP w0.203: U4.13 21.35,22.55 21.9,22 21.9,21.4 21.25,20.75 21.25,20.7 ; 21.25,20.7 21.3,20.7 22.1,19.9 22.1,18 20.95,16.85 X3.3 ; 21.25,20.7 C24.2
N17241913: length 5
  TOP w0.254: C14.1 51.75,17.55 52.4,18.2 52.4,18.9 52.05,19.25 U1.7
N17241915: length 3.7
  TOP w0.254: C14.2 51.55,18.6 U1.6
N17241937: length 5.4
  TOP w0.254: C17.1 54.65,17.55 55.3,18.2 55.3,19.7 54.05,20.95 U1.11
N17241939: length 4.1
  TOP w0.254: U1.10 53.55,20.75 54.6,19.7 C17.2
N17265796: length 2.9
  TOP w0.254: C20.2 19.35,31.9 U4.32
N17265798: length 3.2
  TOP w0.254: U4.26 22.35,29.9 23.4,30.95 C21.2
N17265928: length 20.5
  TOP w0.254: U4.3 17.55,27.65 17.1,28.1 17.1,29.95 16.85,30.2 C25.2
  TOP w0.3: L7.2 v1(16.4,22.85) ; C25.2 C22.2 v1(16.4,31.4)
  BOTTOM w0.3: v1(16.4,22.85) 18.05,22.85 18.6,23.4 18.6,30.9 18.1,31.4 v1(16.4,31.4)
N17265932: length 4.9
  TOP w0.254: U4.2 18.05,28.15 17.7,28.5 17.7,31.7 17.25,32.15 R8.1
N17265934: length 3.8
  TOP w0.254: U4.1 18.45,28.65 18.2,28.9 18.2,31.95 C26.2
N17266000: length 4.4
  TOP w0.3: C37.2 L6.2 16.4,26.3 16.75,26.65 U4.5
N17266002: length 3.3
  TOP w0.203: R11.2 26.35,26.7 U4.20
N17266029: length 6.6
  TOP w0.3: L8.2 14.05,23.7 15.45,23.7 L7.1 16.45,23.75 16.9,24.2 16.9,25.7 17.35,26.15 U4.6
N17266045: length 4
  TOP w0.3: 14.05,26.9 L6.1 ; 14.05,26.9 C28.1 ; 14.05,26.9 L5.2 13,26.85 C38.1
N17266116: length 1.3
  TOP w0.3: C38.2 13,23.65 L8.1
N17266122: length 5.1
  TOP w0.254: 19.6,23.6 19.6,23.3 19.1,22.8 18.2,22.8 17.6,22.2 C39.1 ; 19.6,23.6 19.35,23.85 U4.9 ; 19.6,23.6 19.85,23.86 U4.10
N17266126: length 3.4
  TOP w0.254: U4.11 20.35,23.15 18.85,21.65 C40.1
N17266128: length 3.1
  TOP w0.254: U4.12 20.85,22.55 20,21.7 C41.1
N17266134: length 5
  TOP w0.254: U4.16 22.85,23.85 22.6,23.6 ; 22.6,23.6 22.35,23.85 U4.15 ; 22.6,23.6 22.6,23.05 22.85,22.8 23.9,22.8 24.2,22.5 C42.1
N17268626: length 2.5
  TOP w0.3: 11.4,26.9 C36.1 ; 11.4,26.9 L5.1 ; 11.4,26.9 L4.2
N17268629: length 2.5
  TOP w0.3: 9.2,26.9 C31.1 ; 9.2,26.9 L4.1 ; 9.2,26.9 L3.2
N17268632: length 1.2
  TOP w0.3: L3.1 C29.2
N17268655: length 3.2
  TOP w0.3: C29.1 J5.2
N17271468: length 3.6
  TOP w0.254: U4.25 22.85,29.65 24.8,31.6 TP1.1
N17304590: length 23.8
  TOP w0.203: J4.1 70.45,35.25 R27.1
  TOP w0.508: U29.5 67.21,26.25 C98.1 67.16,31.96 J4.1
N17305946: length 3.2
  TOP w0.203: R23.2 74.59,26.45 USB1.4
N17305967: length 3.2
  TOP w0.203: USB1.10 74.59,29.45 R26.1
N17313671: length 4.4
  TOP w0.3: L1.2 C28.2 16.4,27.5 16.75,27.15 U4.4
N172659141: length 1.2
  TOP w0.3: C27.2 13.55,28.7 L1.1
N172702350: length 1.7
  TOP w0.203: R4.1 D1.2
N173111481: length 1.4
  TOP w0.203: D3.1 83.49,34.35 R27.2

## Copper pours and planes (outline as drawn; the poured copper is in the pictures)
GND on TOP: 0.3,50.4 1.27,52.73 3.6,53.7 81.4,53.7 83.73,52.73 84.7,50.4 84.7,3.6 83.73,1.27 81.4,0.3 3.6,0.3 1.27,1.27 0.3,3.6 0.3,25.1 14,25.1 14,28.7 0.3,28.7 ; 10 cut-outs
GND on BOTTOM: 84.7,3.6 83.73,1.27 81.4,0.3 3.6,0.3 1.27,1.27 0.3,3.6 0.3,50.4 1.27,52.73 3.6,53.7 81.4,53.7 83.73,52.73 84.7,50.4 ; 1 cut-out
GND on L02_GND: 84.7,3.6 83.73,1.27 81.4,0.3 3.6,0.3 1.27,1.27 0.3,3.6 0.3,50.4 1.27,52.73 3.6,53.7 81.4,53.7 83.73,52.73 84.7,50.4
VCC_3.3V on L03_VCC: 84.7,3.6 83.73,1.27 81.4,0.3 3.6,0.3 1.27,1.27 0.3,3.6 0.3,50.4 1.27,52.73 3.6,53.7 81.4,53.7 83.73,52.73 84.7,50.4
VCC_IN on TOP: 70.5,24.9 73.7,24.9 73.9,24.7 73.9,24 73.7,23.8 70.6,23.8 70.5,23.9
VCC_IN on BOTTOM: 71.9,23.8 73.7,23.8 73.9,24 73.9,24.7 73.7,24.9 71.9,24.9 71.7,24.7 71.7,24

## Text on the board
Ref Des/Silkscreen Bottom: HY_CEPRI_TEST_V10 | 220517 | XXXLZJXXX
Ref Des/Silkscreen Top: TEMPERATURE | CS | MOSI | CLK | MISO | IRQ | GND | SDA | SCL | ALERT | RST | 3V3 | BAT | 3V3IN | 4.2V
User.6: FIGURE | FINISHED_SIZE | 0.254 | 0.4572 | 0.6 | 0.9 | 1.0 | 1.1 | 3.3 | 1.2x0.6 | 1.7x0.6 | DRILL CHART: TOP to BOTTOM | ALL UNITS ARE IN MILLIMETERS | TOLERANCE_DRILL | +0.0/-0.0 | +0.03/-0.03 | PLATED | QTY | 156 | 18 | 10 | 1 | 3 | 4 | 2 | 212 | TOTAL HOLES:
